# Altium PCB INF_PRO_V2.0.PcbDoc
Units mil, origin at the board's own origin, x right, y up, seen from the top; angles counter-clockwise.
Board outline 3944.71 x 3349.84 mil, 2 copper layers (Top Layer, Bottom Layer); 108 components, 126 nets, 530 pads, 89 vias.
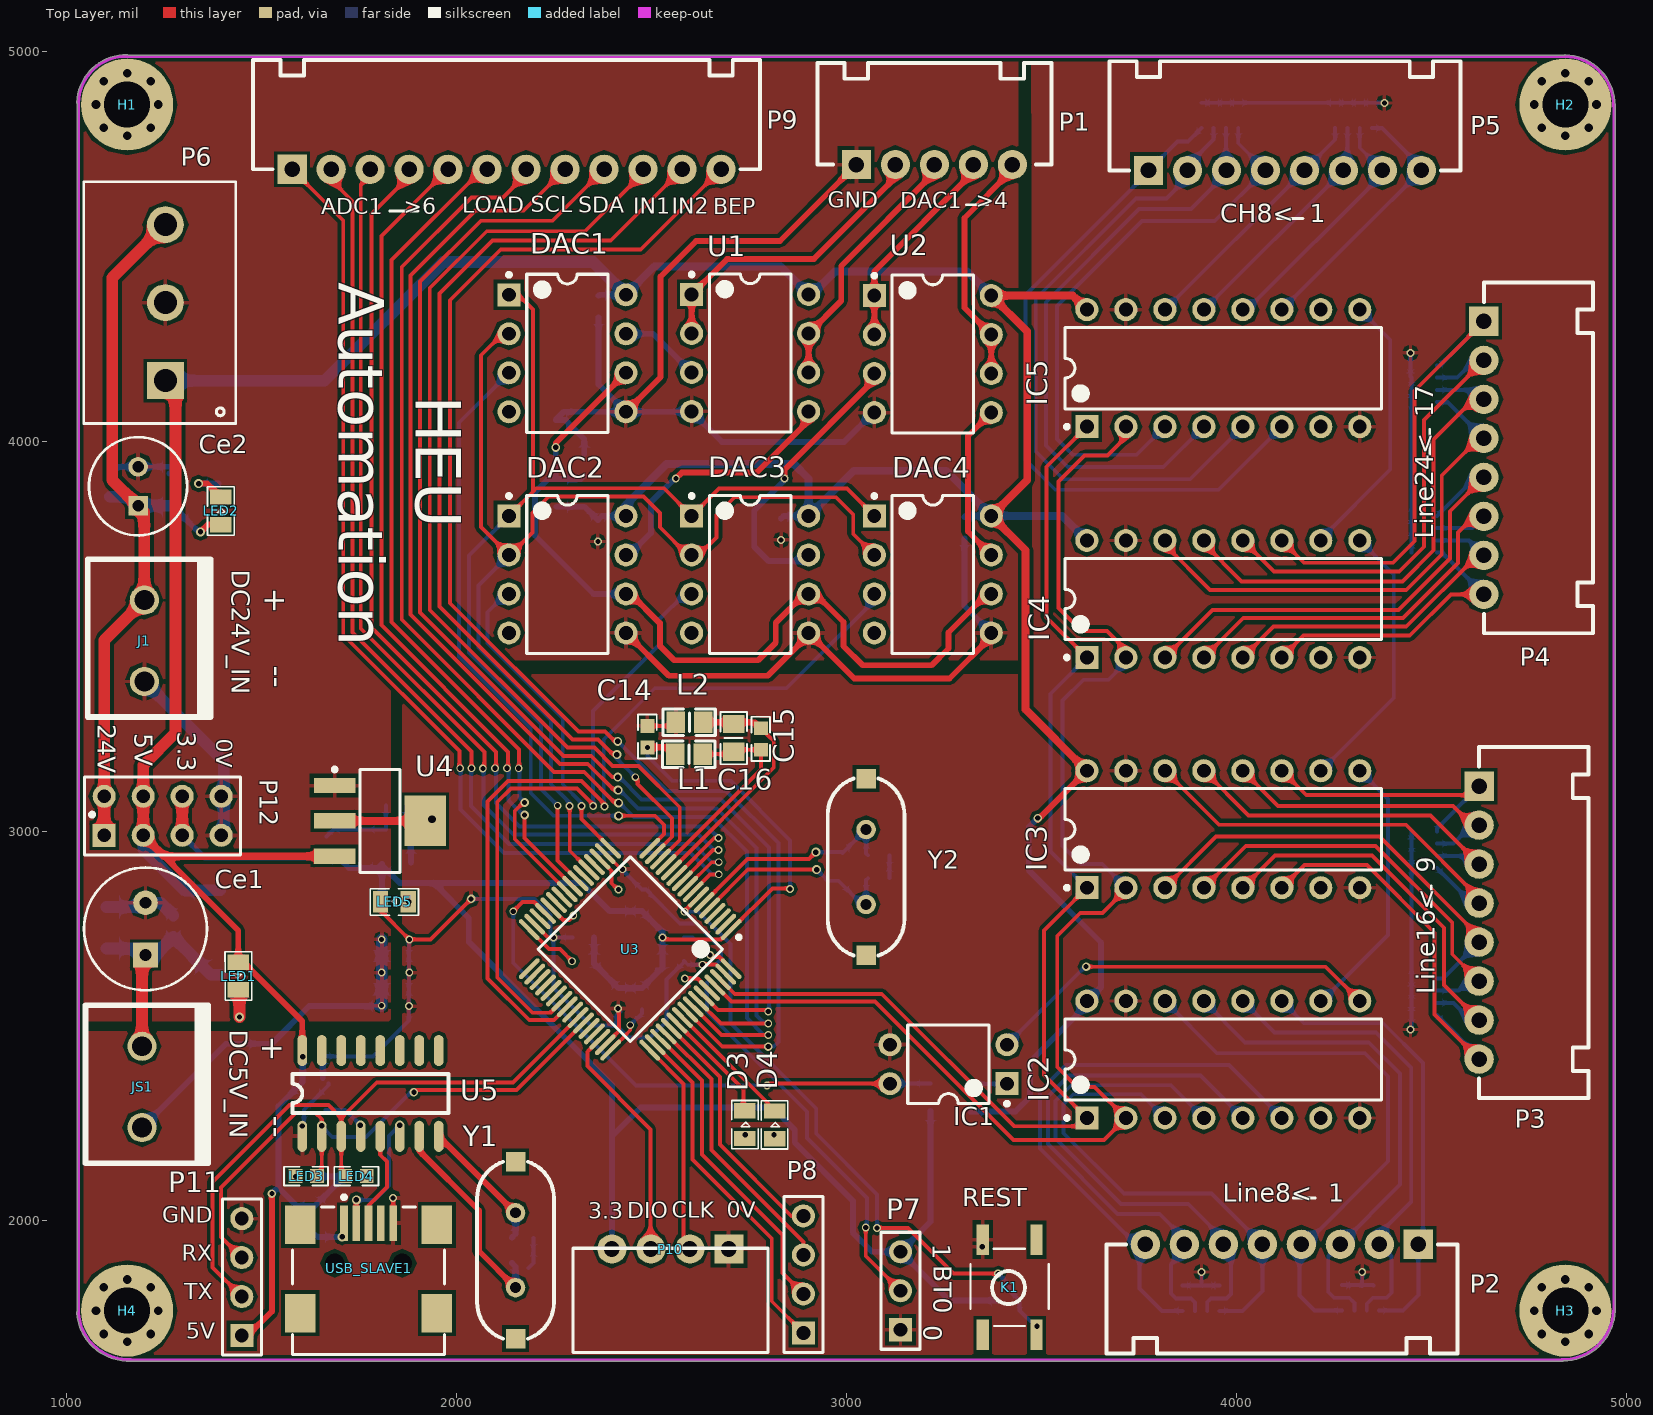
[diagram p0: Top Layer view]
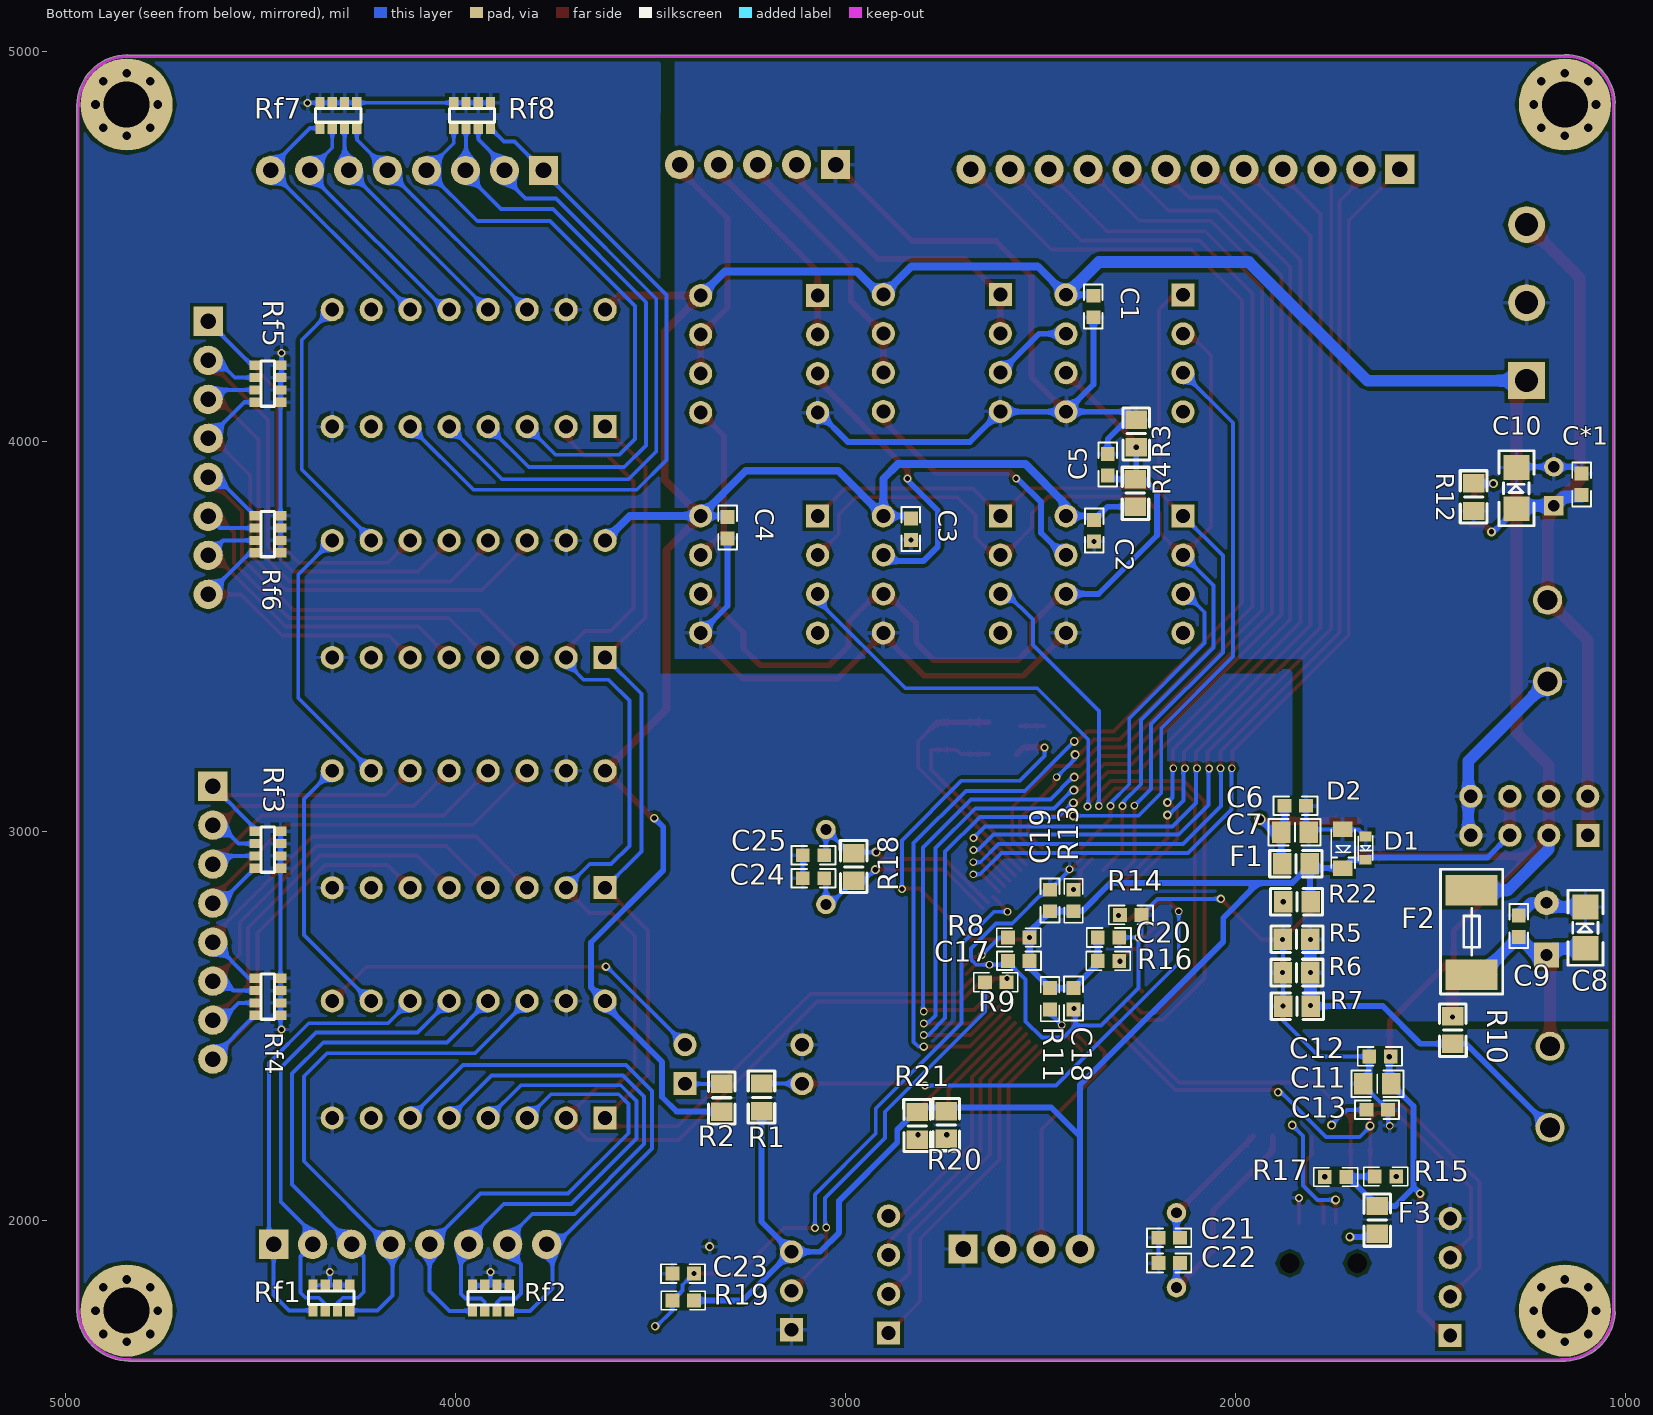
[diagram p1: Bottom Layer view, seen from below]
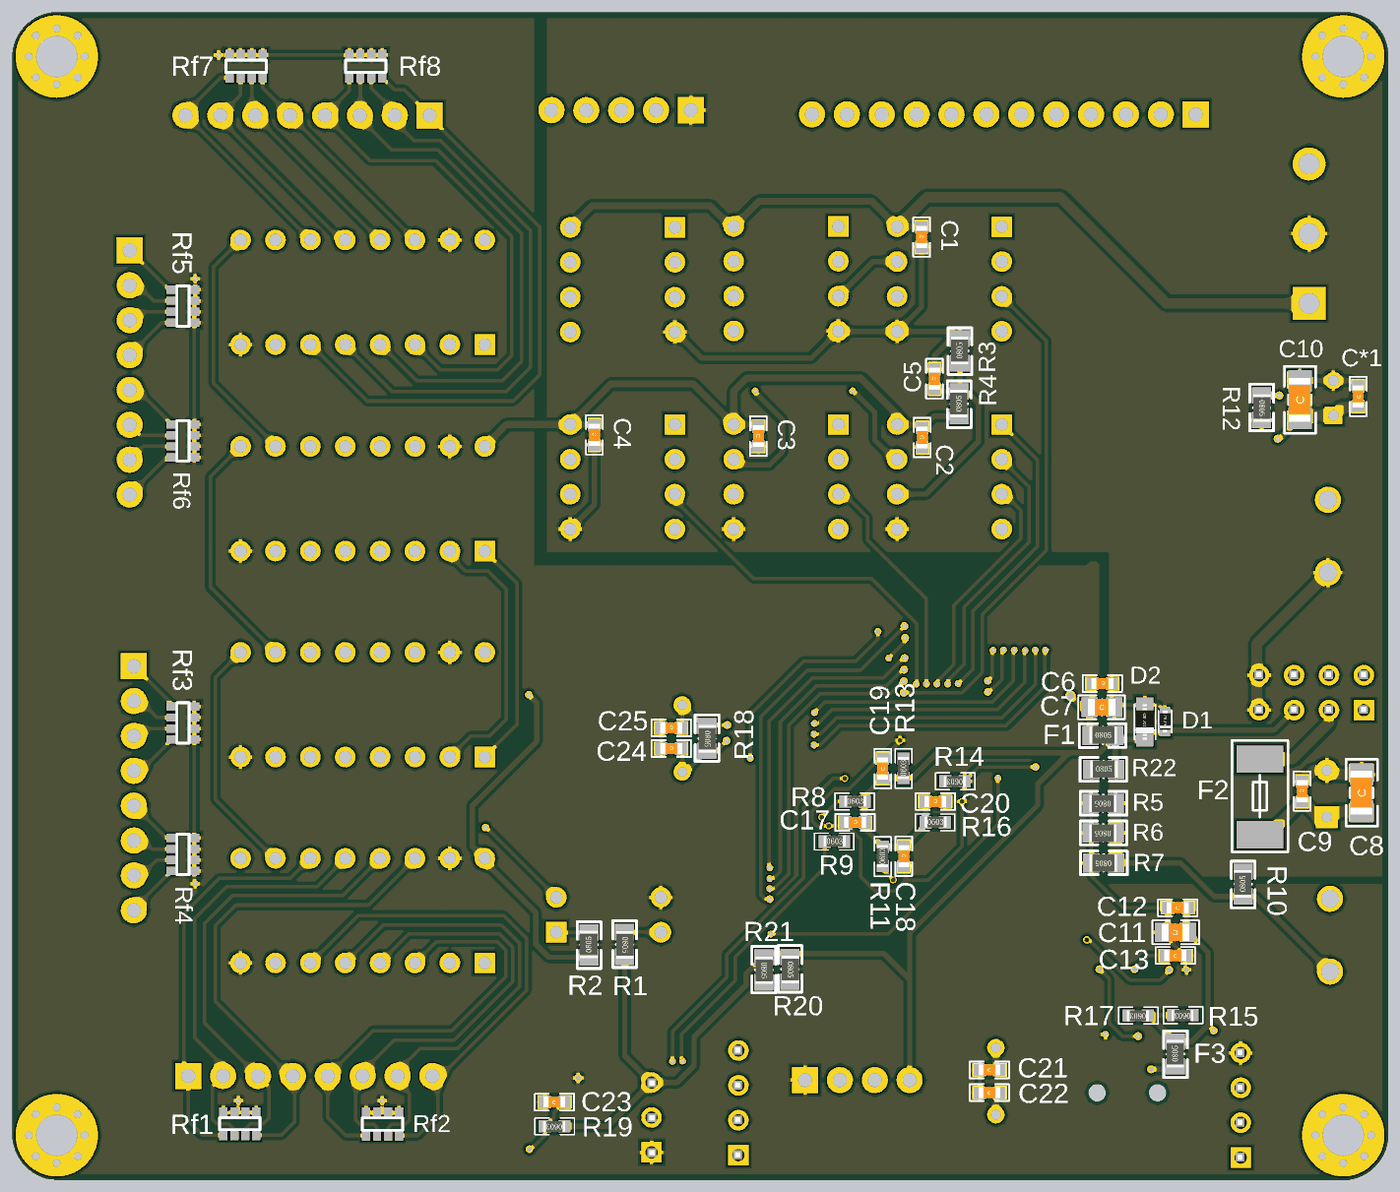
[diagram p2: 3D render of the assembled board from below, using the file's embedded part models]

## Layer stack, top to bottom
Top Solder: solder mask 0.4, Solder Resist, Dk 3.5
Top Layer: signal copper 1.4
Dielectric 1: dielectric 12.6, FR-4, Dk 4.8
Bottom Layer: signal copper 1.4
Bottom Solder: solder mask 0.4, Solder Resist, Dk 3.5

## Board outline
1153.4,1640.86 cw(c1158.5,1772.5) 1026.99,1764.76 cw(c1031,1765) 1027.48,1766.94 1027.48,4866.06 cw(c1031,4868) 1026.99,4868.11 cw(c1152.65,4864.65) 1156.11,4990.32 cw(c1156,4986.31) 1157.94,4989.82 4842.06,4989.82 cw(c4844,4986.31) 4844.07,4990.32 cw(c4841.68,4860.32) 4971.7,4860.32 cw(c4841.68,4860.32) 4971.68,4857.93 cw(c4967.66,4858) 4971.52,4856.9 4971.52,1771.1 cw(c4967.66,1770) 4971.68,1770 cw(c4967.66,1770) 4971.67,1769.87 cw(c4838.33,1774.33) 4838.7,1640.91 cw(c4837,1643.99) 4837,1640.48 1155,1640.48 cw(c1155,1643.99)

## Design rules (kind name [scope] priority, off if disabled: settings)
Clearance Clearance_res [HasFootprint('RES_FOUR_0603')] p1: gap=7
Clearance Clearance_MCU [HasFootprint('LQFP64_N')] p2: gap=7
Clearance [All] p3: gap=9
HoleToHoleClearance [All] p1: gap=5 allowstackedmicrovias=TRUE
MinimumSolderMaskSliver [All] p1: minsoldermaskwidth=2
PolygonConnect [All] p1: connectstyle=Relief reliefconductorwidth=10 reliefentries=4 polygonreliefangle="90 Angle" airgapwidth=10
RoutingVias [All] p1: holewidth=14 width=23 viastyle="Through Hole" minholewidth=12 minwidth=20 maxholewidth=25 maxwidth=50
SilkToSilkClearance [All] p1: silktosilkclearance=2
SilkToSolderMaskClearance [IsPad] p1: minsilkscreentomaskgap=1 clearancetoexposedcopper=TRUE
SolderMaskExpansion [All] p1: expansion=4
Width [All] p1: maxlimit=50 minlimit=8 preferedwidth=10
26 further rules are at their usual default settings.

## Classes and differential pairs
component class INF_Pro_Interface: C1 C2 C3 C4 C5 DAC1 DAC2 DAC3 DAC4 IC1 IC2 IC3 IC4 IC5 P1 P2 P3 P4 P5 R1 R2 R3 R4 R5 R6 R7 Rf1 Rf2 Rf3 Rf4 Rf5 Rf6 Rf7 Rf8 U1 U2
component class INF_Processing: C6 C7 C8 C9 C10 C11 C12 C13 C14 C15 C16 C17 C18 C19 C20 C21 C22 C23 C24 C25 C*1 Ce1 Ce2 D1 D2 D3 D4 F1 F2 F3 H1 H2 H3 H4 J1 JS1 K1 L1 L2 LED1 LED2 LED3 LED4 LED5 P6 P7 P8 P9 P10 P11 P12 R8 R9 R10 R11 R12 R13 R14 R15 R16 R17 R18 R19 R20 R21 R22 U3 U4 U5 USB_SLAVE1 Y1 Y2

## Components (designator, comment, footprint, x,y, rotation, side; value= is the part's Value field where it differs from the comment)
C1 "0603" CAP_0603_16*08 2365,4345 r270 bottom
C2 "0603" CAP_0603_16*08 2363,3770 r270 bottom
C3 "0603" CAP_0603_16*08 2833,3774 r270 bottom
C4 "0603" CAP_0603_16*08 3303,3778 r270 bottom
C5 "0603" CAP_0603_16*08 2328,3939 r270 bottom
C6 "0603" CAP_0603_16*08 1847,3065 r0 bottom
C7 "Polar" CAP_0805_20*12 1848,2997 r180 bottom
C8 "Polar" CAP_1206 1103,2752 r90 bottom
C9 "0603" CAP_0603_16*08 1274,2756 r270 bottom
C10 "Polar" CAP_1206 1280,3879 r90 bottom
C11 "Polar" CAP_0805_20*12 1637,2352 r0 bottom
C12 "0603" CAP_0603_16*08 1630,2422 r180 bottom
C13 "0603" CAP_0603_16*08 1637,2285 r180 bottom
C14 "0603" CAP_0603_16*08 2490,3242 r270 top
C15 "0603" CAP_0603_16*08 2781,3236 r270 top
C16 "Polar" CAP_0805_20*12 2711,3239 r90 top
C17 "0603" CAP_0603_16*08 2556,2667 r0 bottom
C18 "0603" CAP_0603_16*08 2416,2569.56 r270 bottom
C19 "0603" CAP_0603_16*08 2476,2822 r90 bottom
C20 "0603" CAP_0603_16*08 2326,2727 r0 bottom
C21 "0603" CAP_0603_16*08 2170,1957 r180 bottom
C22 "0603" CAP_0603_16*08 2170,1892 r180 bottom
C23 "0603" CAP_0603_16*08 3417,1865 r180 bottom
C24 "0603" CAP_0603_16*08 3082.87,2878.76 r0 bottom
C25 "0603" CAP_0603_16*08 3082.87,2937.76 r0 bottom
C*1 "0603" CAP_0603_16*08 1113,3889 r90 bottom
Ce1 "330uF" Cap_elc_330uF16V 1203,2749 r90 top
Ce2 "100uF" Cap_elc_100uF35V 1184,3884 r90 top
D1 "TVS/3.3V" SOD523 1667,3006 r270 bottom
D2 "Zener/3.3V" SOD323 1725,2955 r270 bottom
D3 "Red" LED_0805 2740,2247 r90 top
D4 "Blue" LED_0805 2816,2246.57 r90 top
DAC1 "TLC5615" DIP-8 2285,4225 r0 top
DAC2 "TLC5615" DIP-8 2285,3658 r0 top
DAC3 "TLC5615" DIP-8 2753.5,3658 r0 top
DAC4 "TLC5615" DIP-8 3222,3658 r0 top
F1 "Fuse 1" RES_0805_20*12 1845,2916 r180 bottom
F2 "Fuse 1" FUSE3.5*5.5 1395,2740 r90 bottom
F3 "5V/0.5A" RES_0805_20*12 1637,2003 r90 bottom
H1 "Pad3mm" PAD 1156,4863 r0 top
H2 "Pad3mm" PAD 4844,4863 r0 top
H3 "Pad3mm" PAD 4844,1770 r0 top
H4 "Pad3mm" PAD 1156,1770 r0 top
IC1 "PS2801-1" DIP-4 3262,2402 r180 top
IC2 "74HC165" DIP-16 3967,2414.03 r90 top
IC3 "74HC165" DIP-16 3967,3004.53 r90 top
IC4 "74HC165" DIP-16 3967,3595.03 r90 top
IC5 "74HC165" DIP-16 3967,4187 r90 top
J1 "POWER" Header2_press 1200,3592 r90 top
JS1 "POWER" Header2_press 1194,2448 r90 top
K1 "KEY" KEY_4 3419,1830 r270 top
L1 "MODEL?" IND_0805_20*12 2597,3197 r0 top
L2 "MODEL?" IND_0805_20*12 2598,3279 r0 top
LED1 "Red" LED_0805 1441,2628 r270 top
LED2 "Green" LED_0805 1396,3821 r90 top
LED3 "Red" CAP_0603_16*08 1615,2115 r0 top
LED4 "Green" CAP_0603_16*08 1743,2115 r180 top
LED5 "Blue" LED_0805 1841,2818 r180 top
P1 "Header 5" P5_OUT 3226,4709 r0 top
P2 "Header 8" P8_OUT 4117,1940 r180 top
P3 "Header 8" P8_OUT 4623,2765 r270 top
P4 "Header 8" P8_OUT 4635,3957 r270 top
P5 "Header 8" P8_OUT 4125,4694 r0 top
P6 "Header 3" Header3_HC5.08 1254,4155 r90 top
P7 "Header 3" HEADER1*3_PIN 3139,1821 r90 top
P8 "Header 4" HEADER1*4_PIN 2890,1863 r90 top
P9 "Header 12" P12_OUT 2089,4477 r0 top
P10 "Header 4" P4_OUT 2549,1928 r180 top
P11 "Header 4" HEADER1*4_PIN 1450,1856 r90 top
P12 "Header 4X2" HEADER2*4_PIN 1247,3039 r0 top
R1 "SMD" RES_0805_20*12 3216,2317 r270 bottom
R2 "SMD" RES_0805_20*12 3318,2316 r90 bottom
R3 "SMD" RES_0805_20*12 2255,4019 r90 bottom
R4 "SMD" RES_0805_20*12 2257,3867 r90 bottom
R5 "SMD" RES_0805_20*12 1844,2722 r0 bottom
R6 "SMD" RES_0805_20*12 1844,2637 r0 bottom
R7 "SMD" RES_0805_20*12 1843,2551 r0 bottom
R8 "SMD" RES_0603_16*08 2556,2727 r180 bottom
R9 "SMD" RES_0603_16*08 2615,2612 r180 bottom
R10 "SMD" RES_0805_20*12 1443,2490 r90 bottom
R11 "SMD" RES_0603_16*08 2476,2569.56 r90 bottom
R12 "SMD" RES_0805_20*12 1390,3856 r270 bottom
R13 "SMD" RES_0603_16*08 2416,2822 r90 bottom
R14 "SMD" RES_0603_16*08 2269,2785 r0 bottom
R15 "SMD" RES_0603_16*08 1616,2114 r0 bottom
R16 "SMD" RES_0603_16*08 2326,2667 r180 bottom
R17 "SMD" RES_0603_16*08 1744,2113 r0 bottom
R18 "SMD" RES_0805_20*12 2979.87,2907.76 r270 bottom
R19 "SMD" RES_0603_16*08 3417,1796 r0 bottom
R20 "SMD" RES_0805_20*12 2742,2246 r270 bottom
R21 "SMD" RES_0805_20*12 2817,2244 r270 bottom
R22 "SMD" RES_0805_20*12 1843,2819 r180 bottom
Rf1 "3.3K" RES_FOUR_0603 4319,1803 r90 bottom
Rf2 "3.3K" RES_FOUR_0603 3910,1802 r90 bottom
Rf3 "3.3K" RES_FOUR_0603 4482,2952 r180 bottom
Rf4 "3.3K" RES_FOUR_0603 4482,2575 r180 bottom
Rf5 "3.3K" RES_FOUR_0603 4482,4147 r180 bottom
Rf6 "3.3K" RES_FOUR_0603 4482,3761 r180 bottom
Rf7 "3.3K" RES_FOUR_0603 4301,4835 r90 bottom
Rf8 "3.3K" RES_FOUR_0603 3958,4835 r90 bottom
U1 "AD8667ARZ" DIP-8 2753.5,4226 r0 top
U2 "AD8667ARZ" DIP-8 3222,4223 r0 top
U3 "STM32F103RCT6" LQFP64_N 2446,2697 r225 top
U4 "AMS1117" SOT223_M 1804,3026 r0 top
U5 "CH340G" SOP16 1605,2217 r90 top
USB_SLAVE1 "USB-B(Mini)" USB/SM0.8-6H5 1775,1685 r270 top
Y1 "XTAL" XTAL_US 2152,2021 r270 top
Y2 "XTAL" XTAL_US 3050.87,3003.76 r270 top

## Footprints (in the part's own frame and the unit in brackets; to place one, negate y for a bottom-side part, rotate by r counter-clockwise, add the part's x,y. Pads: shape width x height; smd on the part's side, far side on the other; paste and mask are expansions set on the pad)
CAP_0603_16*08 [mm]
  rect 0.9x0.9 smd: 1(-0.7,0) 2(0.7,0)
  silkscreen extent -1.45,-0.61 1.42,0.61, body extent -1.31,-0.49 1.29,0.51, height 0.89
CAP_0805_20*12 [mm] "Chip Resistor, Body 2.0x1.2mm, IPC Medium Density"
  rect 1.2x1.4 smd: 1(-0.9,0) 2(0.9,0)
  silkscreen extent -1.72,-0.87 1.67,0.86, body extent -1.5,-0.69 1.5,0.71, height 0.93
CAP_1206 [mm] "Chip Capacitor, Body 3.2x1.6mm, IPC High Density"
  rect 1.6x1.7 smd: 1(-1.35,0) 2(1.35,0)
  silkscreen extent -2.44,-1.14 2.44,1.14, body extent -2.1,-0.87 2.1,0.93, height 0.95
Cap_elc_100uF35V [mil]
  rect 50x50 hole 30: 1(-50,0)
  round 50 hole 30: 2(50,0)
  silkscreen extent -126,-126 126,126
Cap_elc_330uF16V [mm]
  rect 1.6x1.6 hole 0.762: 1(-1.7,0)
  round 1.6 hole 0.762: 2(1.7,0)
  silkscreen extent -4,-4 4,4
DIP-4 [mm] "DIP; 4 Leads; Row Spacing 7.62 mm; Pitch 2.54 mm"
  rect 1.5x1.5 hole 0.9: 1(-3.81,1.27)
  round 1.5 hole 0.9: 2(-3.81,-1.27) 3(3.81,-1.27) 4(3.81,1.27)
  silkscreen extent -3.94,-2.55 2.65,2.69, body extent -3.15,-2.5 3.15,2.5, height 5.6
DIP-8 [mm] "DIP; 8 Leads; Row Spacing 7.62 mm; Pitch 2.54 mm"
  rect 1.5x1.5 hole 0.9: 1(-3.81,3.81)
  round 1.5 hole 0.9: 2(-3.81,1.27) 3(-3.81,-1.27) 4(-3.81,-3.81) 5(3.81,-3.81) 6(3.81,-1.27) 7(3.81,1.27) 8(3.81,3.81)
  silkscreen extent -3.93,-5.15 2.65,5.23, body extent -3.6,-5.15 3.6,5.15, height 5.08
DIP-16 [mm] "DIP; 16 Leads; Row Spacing 7.62 mm; Pitch 2.54 mm"
  rect 1.5x1.5 hole 0.9: 1(-3.81,8.89)
  round 1.5 hole 0.9: 2(-3.81,6.35) 3(-3.81,3.81) 4(-3.81,1.27) 5(-3.81,-1.27) 6(-3.81,-3.81) 7(-3.81,-6.35) 8(-3.81,-8.89) 9(3.81,-8.89) 10(3.81,-6.35) 11(3.81,-3.81) 12(3.81,-1.27) 13(3.81,1.27) 14(3.81,3.81) 15(3.81,6.35) 16(3.81,8.89)
  silkscreen extent -3.93,-10.3 2.65,10.31, body extent -3.6,-10.28 3.6,10.28, height 5.08
FUSE3.5*5.5 [mm] "5.6V/2.6A"
  rect 2x3.4 smd: 1(-2.75,0) 2(2.75,0)
  silkscreen extent -4.01,-2.03 4.12,2.03
HEADER1*3_PIN [mm]
  rect 1.5x1.5 hole 0.9: 1(-2.54,0)
  round 1.5 hole 0.9: 2(0,0) 3(2.54,0)
  silkscreen extent -3.81,-1.27 3.81,1.27, body extent -3.84,-1.22 3.78,1.28, height 8.54
HEADER1*4_PIN [mm]
  rect 1.5x1.5 hole 0.9: 1(-3.81,0)
  round 1.5 hole 0.9: 2(-1.27,0) 3(1.27,0) 4(3.81,0)
  silkscreen extent -5.08,-1.27 5.08,1.27, body extent -5.05,-1.31 5.11,1.19, height 8.67
HEADER2*4_PIN [mm] "Connector; Header; 4x2 Position"
  rect 1.5x1.5 hole 0.9: 1(-3.81,-1.27)
  round 1.5 hole 0.9: 2(-1.27,-1.27) 3(1.27,-1.27) 4(3.81,-1.27) 5(-3.81,1.27) 6(-1.27,1.27) 7(1.27,1.27) 8(3.81,1.27)
  silkscreen extent -5.08,-2.54 5.08,2.54, body extent -5.05,-2.47 5.11,2.57, height 8.54
Header2_press [mm]
  round 1.9 hole 1.3: 1(0,0) 2(-5.3,0)
  silkscreen extent -7.62,-4.32 2.67,3.68
Header3_HC5.08 [mm]
  rect 2.4x2.4 hole 1.5: 1(0,0)
  round 2.4 hole 1.5: 2(5.08,0) 3(10.16,0)
  silkscreen extent -2.79,-4.59 12.95,5.32
IND_0805_20*12 [mm] "Chip Inductor, Body 2.0x1.2mm, IPC Medium Density"
  rect 1.2x1.4 smd: 1(-0.9,0) 2(0.9,0)
  silkscreen extent -1.72,-0.87 1.67,0.86, body extent -1.05,-0.65 0.95,0.6, height 0.5
KEY_4 [mm]
  rect 2x0.8 smd: 1(-3.1,-1.75) 2(3.1,1.75) 3(3.1,-1.75) 4(-3.1,1.75)
  silkscreen extent -2.5,-2.55 2.53,2.55
LED_0805 [mm]
  rect 1x1.4 smd: 1(-0.9,0) 2(0.9,0)
  silkscreen extent -1.57,-0.87 1.57,0.86, body extent -0.94,-0.66 1.09,0.61, height 1.1
LQFP64_N [mm]
  oval 1.8x0.3 smd: 1(-5.55,3.75) 2(-5.55,3.25) 3(-5.55,2.75) 4(-5.55,2.25) 5(-5.55,1.75) 6(-5.55,1.25) 7(-5.55,0.75) 8(-5.55,0.25) 9(-5.55,-0.25) 10(-5.55,-0.75) 11(-5.55,-1.25) 12(-5.55,-1.75) 13(-5.55,-2.25) 14(-5.55,-2.75) 15(-5.55,-3.25) 16(-5.55,-3.75) 33(5.55,-3.75) 34(5.55,-3.25) 35(5.55,-2.75) 36(5.55,-2.25) 37(5.55,-1.75) 38(5.55,-1.25) 39(5.55,-0.75) 40(5.55,-0.25) 41(5.55,0.25) 42(5.55,0.75) 43(5.55,1.25) 44(5.55,1.75) 45(5.55,2.25) 46(5.55,2.75) 47(5.55,3.25) 48(5.55,3.75)
  oval 0.3x1.8 smd: 17(-3.75,-5.55) 18(-3.25,-5.55) 19(-2.75,-5.55) 20(-2.25,-5.55) 21(-1.75,-5.55) 22(-1.25,-5.55) 23(-0.75,-5.55) 24(-0.25,-5.55) 25(0.25,-5.55) 26(0.75,-5.55) 27(1.25,-5.55) 28(1.75,-5.55) 29(2.25,-5.55) 30(2.75,-5.55) 31(3.25,-5.55) 32(3.75,-5.55) 49(3.75,5.55) 50(3.25,5.55) 51(2.75,5.55) 52(2.25,5.55) 53(1.75,5.55) 54(1.25,5.55) 55(0.75,5.55) 56(0.25,5.55) 57(-0.25,5.55) 58(-0.75,5.55) 59(-1.25,5.55) 60(-1.75,5.55) 61(-2.25,5.55) 62(-2.75,5.55) 63(-3.25,5.55) 64(-3.75,5.55)
  silkscreen extent -5.67,-4.25 4.25,4.57, body extent -6.03,-5.97 5.97,6.03, height 1.6
P4_OUT [mil]
  rect 75x75 hole 40: 1(-150,0)
  round 75 hole 40: 2(-50,0) 3(50,0) 4(150,0)
  silkscreen extent -250,-2 250,266
P5_OUT [mil]
  rect 75x75 hole 40: 1(-200,0)
  round 75 hole 40: 2(-100,0) 3(0,0) 4(100,0) 5(200,0)
  silkscreen extent -300,0 300,260
P8_OUT [mil]
  rect 75x75 hole 40: 1(-350,0)
  round 75 hole 40: 2(-250,0) 3(-150,0) 4(-50,0) 5(50,0) 6(150,0) 7(250,0) 8(350,0)
  silkscreen extent -450,0 450,280
P12_OUT [mil]
  rect 75x75 hole 40: 1(-510,220)
  round 75 hole 40: 2(-410,220) 3(-310,220) 4(-210,220) 5(-110,220) 6(-10,220) 7(90,220) 8(190,220) 9(290,220) 10(390,220) 11(490,220) 12(590,220)
  silkscreen extent -610,220 690,500
PAD [mm]
  round 6 hole 3: 0(0,0)
  round 1 hole 0.562: 1(0,2.032) 2(1.524,1.524) 3(2.032,0) 4(1.524,-1.524) 5(0,-2.032) 6(-1.524,-1.524) 7(-2.032,0) 8(-1.524,1.524)
  body extent -3.6,-3.12 3.6,3.12, height 3.33
RES_0603_16*08 [mm]
  rect 0.9x0.9 smd: 1(-0.7,0) 2(0.7,0)
  silkscreen extent -1.45,-0.61 1.42,0.61, body extent -0.77,-0.37 0.83,0.43, height 0.5
RES_0805_20*12 [mm] "Chip Resistor, Body 2.0x1.2mm, IPC Medium Density"
  rect 1.2x1.4 smd: 1(-0.9,0) 2(0.9,0)
  silkscreen extent -1.72,-0.87 1.67,0.86, body extent -0.97,-0.6 1.03,0.66, height 0.68
RES_FOUR_0603 [mil]
  rect 30x23.62 smd: 1(-32.5,47.24) 2(-32.5,15.75) 3(-32.5,-15.75) 4(-32.5,-47.24) 5(32.5,-47.24) 6(32.5,-15.75) 7(32.5,15.75) 8(32.5,47.24)
  silkscreen extent -18,-58 18,58
SOD323 [mil] "Zener Doide"
  rect 40x50 smd: 1(-50,0) 2(50,0)
  silkscreen extent -50,-30 50,31, body extent -51,-26 51,26, height 39
SOD523 [mil]
  rect 25x30 smd: 1(20,0) 2(80,0)
  silkscreen extent 18,-19 82,19, body extent 18,-16 81,16, height 26
SOP16 [mil]
  oval 80x24 smd: 1(0,0) 2(0,-50) 3(0,-100) 4(0,-150) 5(0,-200) 6(0,-250) 7(0,-300) 8(0,-350) 9(220,-350) 10(220,-300) 11(220,-250) 12(220,-200) 13(220,-150) 14(220,-100) 15(220,-50) 16(220,0)
  silkscreen extent 60,-375 160,25, body extent -27,-378 249,28, height 83
SOT223_M [mm] "SOT223, 4-Leads, Body 6.5x3.5mm, Pitch 2.3mm, Lead Span 7mm, IPC Low Density"
  rect 2.7x1 smd: 1(-2.95,2.3) 2(-2.95,0) 3(-2.95,-2.3)
  rect 2.7x3.3 smd: 4(2.95,0)
  silkscreen extent -3.07,-3.35 1.3,3.47, body extent -3.56,-3.25 3.4,3.25, height 1.73
USB/SM0.8-6H5 [mm]
  rect 2.3x0.5 smd: 1(-7.85,-1.6) 2(-7.85,-0.8) 3(-7.85,0) 4(-7.85,0.8) 5(-7.85,1.6)
  rect 2.5x2 smd: 6(-7.75,4.45) 7(-1.996,4.45) 8(-7.75,-4.45) 9(-1.996,-4.45)
  round 0.6 hole 1.27 unplated: MH1(-5.25,2.2) MH2(-5.25,-2.2)
  silkscreen extent -9.67,-4.95 0.7,4.95
XTAL_US [mil]
  round 50 hole 28: 1(0,0) 2(192.13,0)
  rect 50x50 smd: ""(-130.32,0) ""(322.44,0)
  silkscreen extent -131,-98 323,98
